# Altium PCB SteeringWheelBoard.PcbDoc
Units mm, origin at the board's own origin, x right, y up, seen from the top; angles counter-clockwise.
Board outline 80.26 x 44.96 mm, 2 copper layers (Top Layer, Bottom Layer); 63 components, 58 nets, 251 pads, 57 vias.
Unrouted connection lines stored in the file: 6.
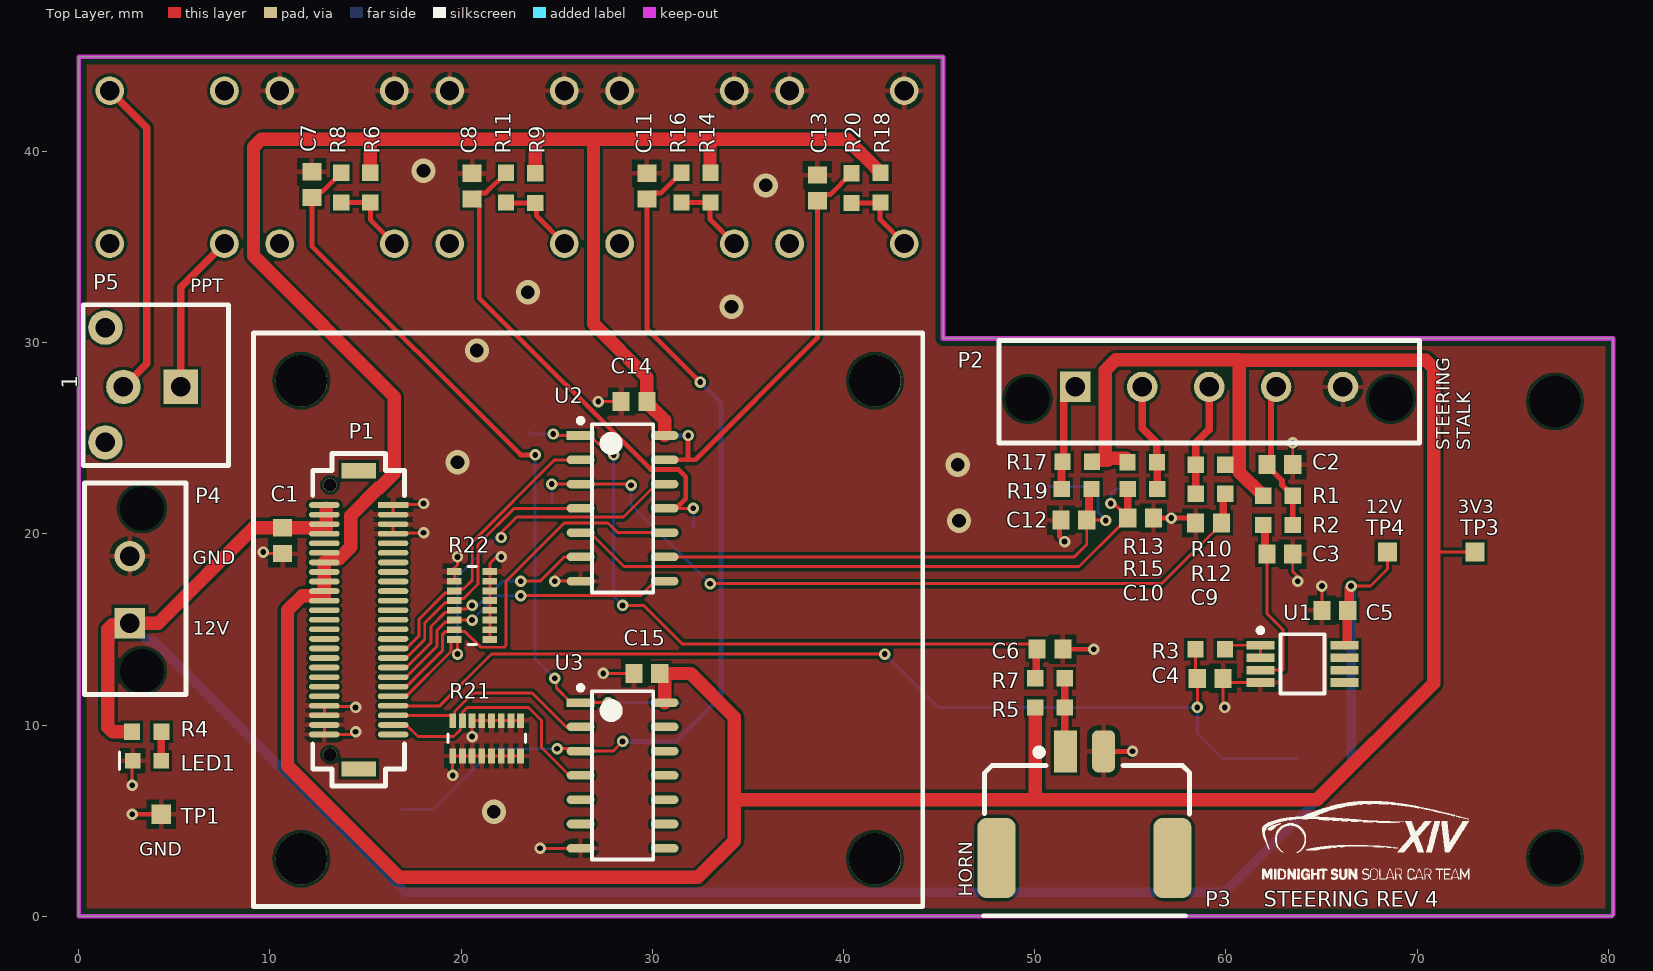
[diagram p0: Top Layer view]
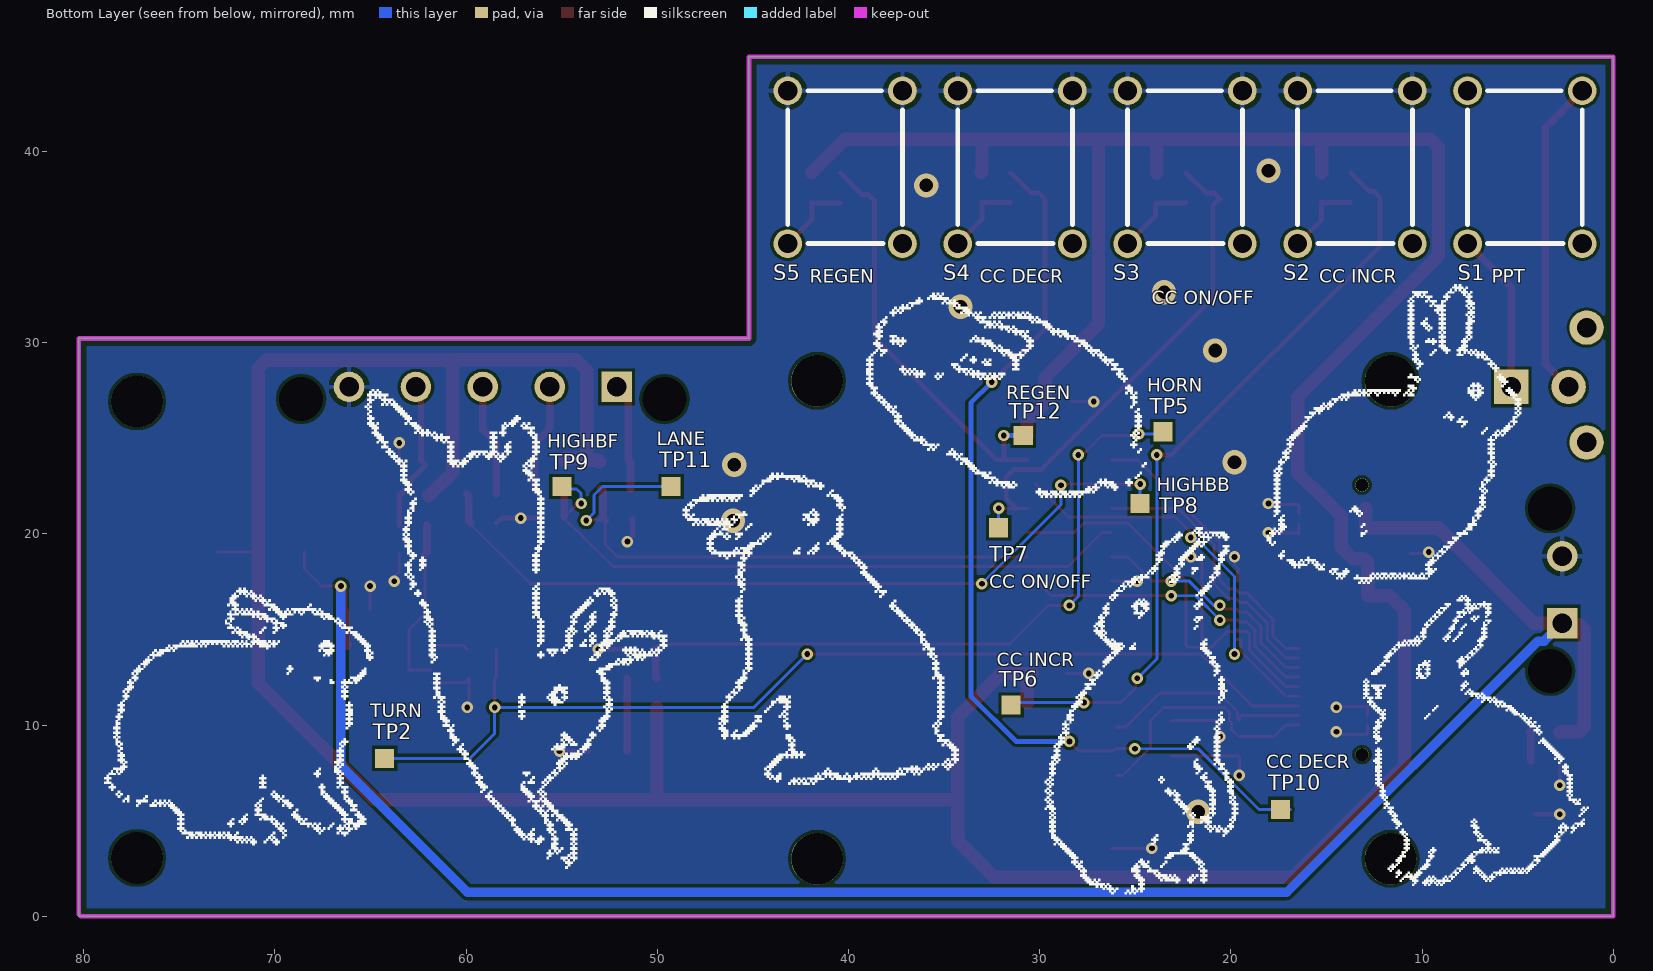
[diagram p1: Bottom Layer view, seen from below]
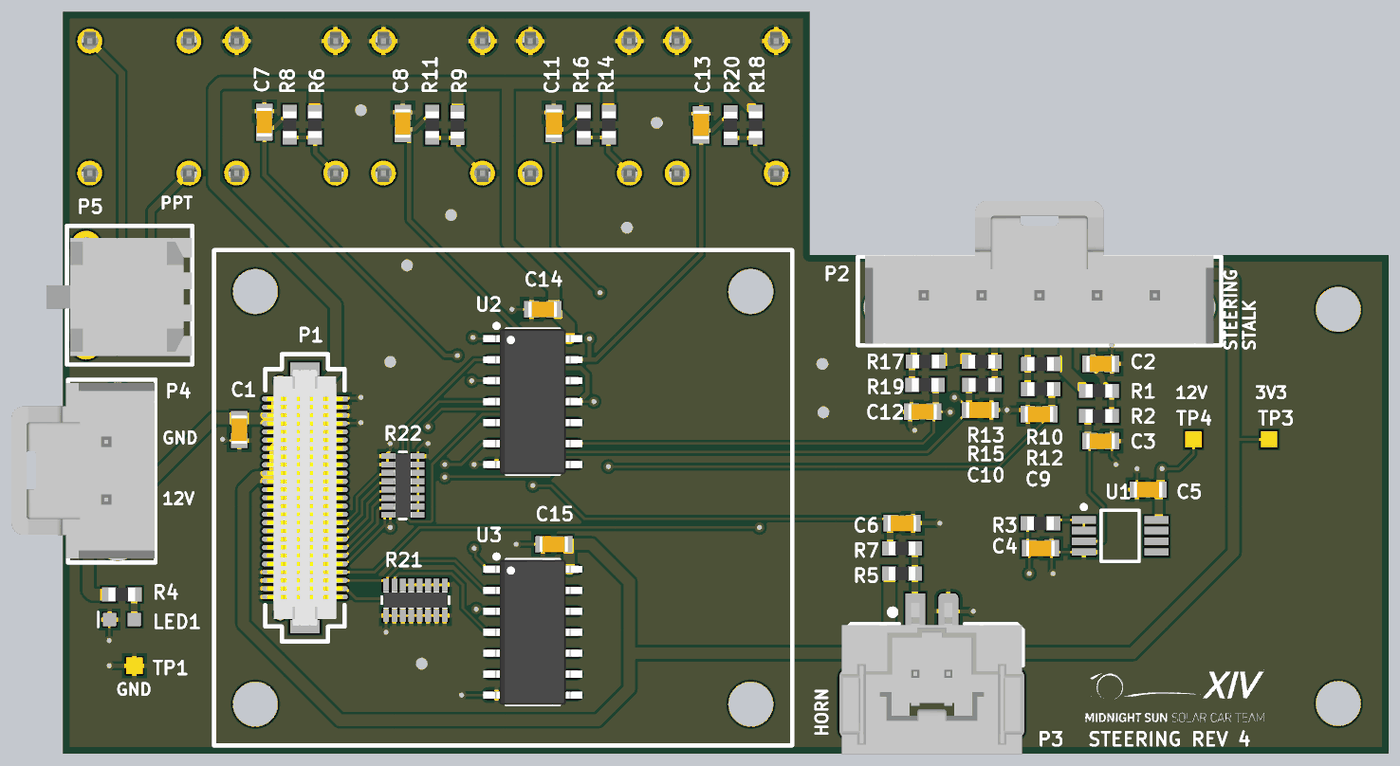
[diagram p2: 3D render of the assembled board from above, using the file's embedded part models]
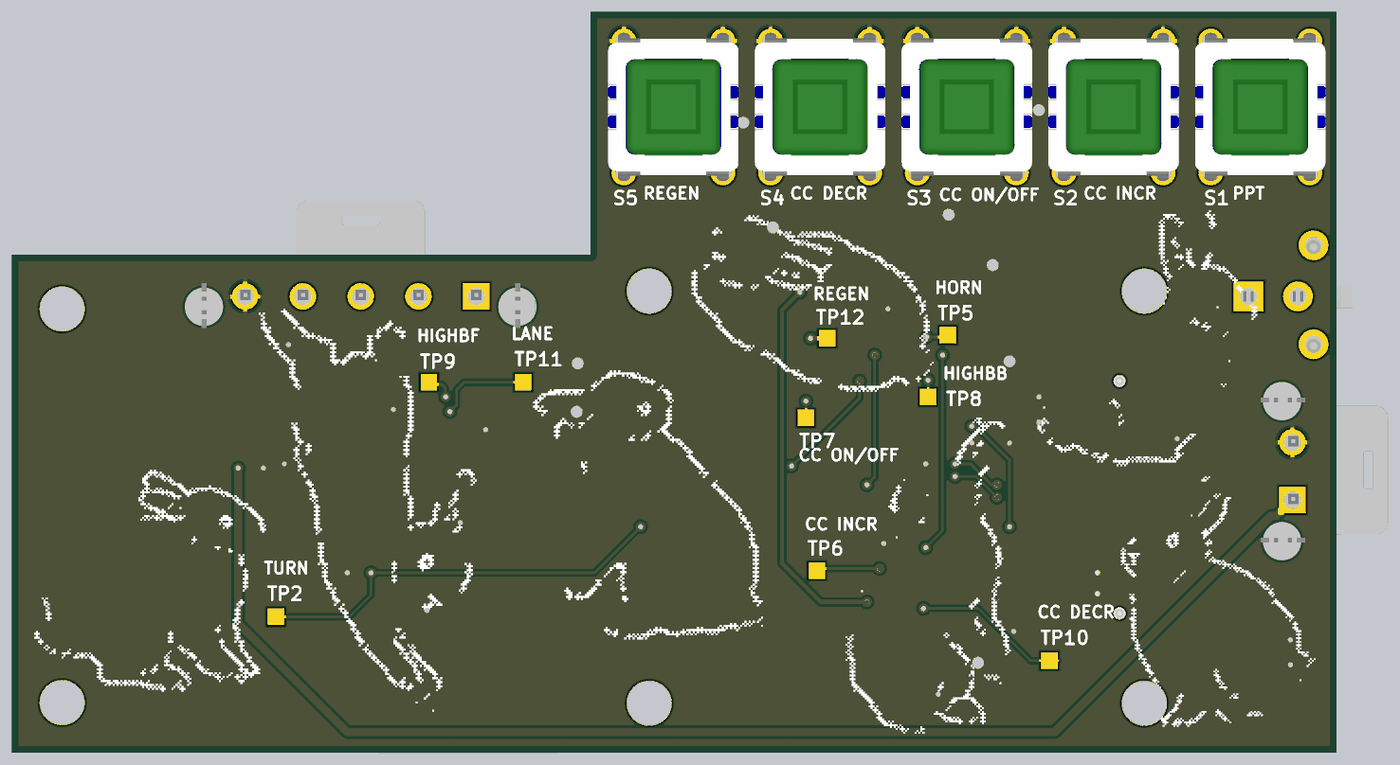
[diagram p3: 3D render of the assembled board from below, using the file's embedded part models]

## Layer stack, top to bottom
Top Solder: solder mask 0.0102, Solder Resist, Dk 3.5
Top Layer: signal copper 0.0356
Dielectric 1: dielectric 0.32, FR-4, Dk 4.8
Bottom Layer: signal copper 0.0356
Bottom Solder: solder mask 0.0102, Solder Resist, Dk 3.5

## Board outline
0,0 80.264,0 80.264,30.226 45.212,30.226 45.212,44.958 0,44.958

## Design rules (kind name [scope] priority, off if disabled: settings)
BoardOutlineClearance [All] p1: gap=0.406 ignorepadtopadclearanceinfootprint=FALSE
Clearance [All] p1: gap=0.152 ignorepadtopadclearanceinfootprint=FALSE except(0: Arc-Hole Track-Hole SMDPad-Hole THPad-Hole Via-Hole Fill-Hole Poly-Hole Region-Hole Text-Hole)
ComponentClearance ComponentClearance_ControllerBoard [InComponent('P1') vs Identifier = 'Controller_Board'] p1: gap=0 collisioncheckmode=3 verticalgap=0 showdistances=FALSE
ComponentClearance ComponentClearance_Standoffs [Identifier = 'Standoff' vs Identifier = 'Controller_Board'] p2: gap=0 collisioncheckmode=3 verticalgap=0 showdistances=FALSE
ComponentClearance [All] p3: gap=0.254 collisioncheckmode=3 verticalgap=0.254 showdistances=FALSE
HoleSize [All] p1: absolutevalues=TRUE maxlimit=6.3 minlimit=0.3 maxpercent=80.000 minpercent=20.000
MinimumAnnularRing [All] p1: minimumring=0.152
MinimumSolderMaskSliver [All] p1: minsoldermaskwidth=0.3
PolygonConnect [IsPad] p1: connectstyle=Relief reliefconductorwidth=0.254 reliefentries=4 polygonreliefangle="90 Angle" airgapwidth=0.254
PolygonConnect PolygonConnect_NoThermal [Not(IsPad)] p2: connectstyle=Direct reliefconductorwidth=0.254 reliefentries=4 polygonreliefangle="90 Angle" airgapwidth=0.254
RoutingVias [All] p1: holewidth=0.3 width=0.6 viastyle="Through Hole" minholewidth=0.3 minwidth=0.6 maxholewidth=0.711 maxwidth=1.27
SilkToSolderMaskClearance [IsPad] p1: minsilkscreentomaskgap=0.178 clearancetoexposedcopper=TRUE
SolderMaskExpansion [All] p1: expansion=0.102 istentingtop=FALSE
Width [All] p1: maxlimit=2.54 minlimit=0.154 preferedwidth=0.2
26 further rules are at their usual default settings.

## Classes and differential pairs
component class "Steering Wheel Interface Schmitt Inverters": C14 C15 R21 R22 U2 U3
component class "Steering Wheel Interface Digital Inputs": C6 C7 C8 C9 C10 C11 C12 C13 R5 R6 R7 R8 R9 R10 R11 R12 R13 R14 R15 R16 R17 R18 R19 R20 S2 S3 S4 S5 TP5 TP6 TP7 TP8 TP9 TP10 TP11 TP12
component class "Steering Wheel Carrier Board Mezzanine": P1 P2 P3 P4 P5 S1
component class "Steering Wheel Interface Analog Inputs": C1 C2 C3 C4 C5 LED1 R1 R2 R3 R4 TP1 TP2 TP3 TP4 U1

## Components (designator, comment, footprint, x,y, rotation, side; value= is the part's Value field where it differs from the comment)
C1 "CAP CER 0.1UF 50V 10% X7R 0603" "CAP, 0603" 10.668,19.645 r270 top
C2 "CAP CER 10nF 50V 5% X7R 0603" "CAP, 0603" 62.825,23.622 r0 top
C3 "CAP CER 0.1UF 50V 10% X7R 0603" "CAP, 0603" 62.825,18.942 r0 top
C4 "CAP CER 10nF 50V 5% X7R 0603" "CAP, 0603" 59.182,12.446 r0 top
C5 "CAP CER 4.7UF 25V 10% X5R 0603" "CAP, 0603" 65.699,16.002 r180 top
C6 "CAP CER 0.1UF 50V 10% X7R 0603" "CAP, 0603" 50.8,13.97 r0 top
C7 "CAP CER 0.1UF 50V 10% X7R 0603" "CAP, 0603" 12.192,38.267 r90 top
C8 "CAP CER 0.1UF 50V 10% X7R 0603" "CAP, 0603" 20.574,38.187 r90 top
C9 "CAP CER 0.1UF 50V 10% X7R 0603" "CAP, 0603" 59.095,20.574 r180 top
C10 "CAP CER 0.1UF 50V 10% X7R 0603" "CAP, 0603" 55.539,20.828 r0 top
C11 "CAP CER 0.1UF 50V 10% X7R 0603" "CAP, 0603" 29.718,38.187 r90 top
C12 "CAP CER 0.1UF 50V 10% X7R 0603" "CAP, 0603" 52.049,20.72 r180 top
C13 "CAP CER 0.1UF 50V 10% X7R 0603" "CAP, 0603" 38.636,38.1 r90 top
C14 "CAP CER 0.1UF 50V 10% X7R 0603" "CAP, 0603" 29.043,26.924 r180 top
C15 "CAP CER 0.1UF 50V 10% X7R 0603" "CAP, 0603" 29.718,12.7 r180 top
LED1 "LED GREEN CLEAR 2V 0603" LED_0603 4.268,8.138 r180 top
P1 "CONN 50POS Bergstak Plug 0.02\"" "CONN, BERGSTAK 50 POS PLUG" 14.644,15.508 r0 top locked
P2 "CONN 5POS ULTRA-FIT 0.138\"" "CONN, 5POS ULTRA-FIT" 52.126,27.686 r0 top locked
P3 "Dura-Clik" "CONN, 2POS Dura-Click Vertical" 51.606,8.628 r0 top
P4 "CONN 2POS ULTRA-FIT 0.138\"" "CONN, 2POS ULTRA-FIT" 2.672,15.336 r90 top
P5 "CONN 2POS MICRO-FIT 3mm" "CONN, 2POS MICRO-FIT" 5.334,27.786 r90 top
R1 "RES SMD 1K OHM 0.1% 1/10W 0603" "RES, 0603" 62.725,21.99 r0 top
R2 "RES SMD 15K OHM 1% 1/10W 0603" "RES, 0603" 62.725,20.466 r0 top
R3 "RES 100 OHM 1% 1/10W 0603" "RES, 0603" 59.182,13.97 r0 top
R4 "RES 4.7K OHM 1% 1/10W 0603" "RES, 0603" 3.556,9.652 r0 top
R5 "RES 10K OHM 1% 1/10W 0603" "RES, 0603" 50.8,10.922 r0 top
R6 "RES 10K OHM 1% 1/10W 0603" "RES, 0603" 15.252,38.113 r270 top
R7 "RES SMD 15K OHM 1% 1/10W 0603" "RES, 0603" 50.8,12.446 r0 top
R8 "RES SMD 15K OHM 1% 1/10W 0603" "RES, 0603" 13.728,38.113 r270 top
R9 "RES 10K OHM 1% 1/10W 0603" "RES, 0603" 23.876,38.087 r270 top
R10 "RES 10K OHM 1% 1/10W 0603" "RES, 0603" 59.195,23.622 r180 top
R11 "RES SMD 15K OHM 1% 1/10W 0603" "RES, 0603" 22.352,38.113 r270 top
R12 "RES SMD 15K OHM 1% 1/10W 0603" "RES, 0603" 59.195,22.098 r180 top
R13 "RES 10K OHM 1% 1/10W 0603" "RES, 0603" 55.626,23.749 r0 top
R14 "RES 10K OHM 1% 1/10W 0603" "RES, 0603" 33.048,38.113 r270 top
R15 "RES SMD 15K OHM 1% 1/10W 0603" "RES, 0603" 55.639,22.352 r0 top
R16 "RES SMD 15K OHM 1% 1/10W 0603" "RES, 0603" 31.524,38.113 r270 top
R17 "RES 10K OHM 1% 1/10W 0603" "RES, 0603" 52.229,23.768 r180 top
R18 "RES 10K OHM 1% 1/10W 0603" "RES, 0603" 41.938,38.113 r270 top
R19 "RES SMD 15K OHM 1% 1/10W 0603" "RES, 0603" 52.197,22.352 r180 top
R20 "RES SMD 15K OHM 1% 1/10W 0603" "RES, 0603" 40.414,38.087 r270 top
R21 "RES ARRAY 10K OHM 5% 8RES" "RES ARRAY, 8 POS 1506" 21.336,9.309 r90 top value=Value
R22 "RES ARRAY 10K OHM 5% 8RES" "RES ARRAY, 8 POS 1506" 20.574,16.256 r180 top value=Value
S1 "PPT" "SW SPST-NO ESE-20C321" 7.62,43.18 r270 bottom locked
S2 "CC_INCR" "SW SPST-NO ESE-20C321" 16.51,43.18 r270 bottom locked
S3 "CC_ONOFF" "SW SPST-NO ESE-20C321" 25.4,43.18 r270 bottom locked
S4 "CC_DECR" "SW SPST-NO ESE-20C321" 34.29,43.18 r270 bottom locked
S5 "REGEN" "SW SPST-NO ESE-20C321" 43.18,43.18 r270 bottom locked
TP1 "Test Point" "Test Point" 4.318,5.334 r270 top
TP2 "Test Point" "Test Point" 64.262,8.255 r90 bottom
TP3 "Test Point" "Test Point" 73.025,19.05 r90 top
TP4 "Test Point" "Test Point" 68.453,19.05 r90 top
TP5 "Test Point" "Test Point" 23.554,25.341 r90 bottom
TP6 "Test Point" "Test Point" 31.496,11.049 r90 bottom
TP7 "Test Point" "Test Point" 32.148,20.32 r90 bottom
TP8 "Test Point" "Test Point" 24.748,21.59 r90 bottom
TP9 "Test Point" "Test Point" 54.991,22.479 r90 bottom
TP10 "Test Point" "Test Point" 17.399,5.588 r90 bottom
TP11 "Test Point" "Test Point" 49.276,22.479 r90 bottom
TP12 "Test Point" "Test Point" 30.861,25.146 r90 bottom
U1 "IC OP AMP DUAL GP RR 10MHZ 8-VSSOP" "IC OP AMP DUAL 8-VSSOP" 64.008,13.2 r0 top
U2 "IC INVERTER SCHMITT 6CH 14SOIC" "IC INVERTER SCHMITT 6CH 14TSSOP" 28.448,21.336 r0 top
U3 "IC INVERTER SCHMITT 6CH 14SOIC" "IC INVERTER SCHMITT 6CH 14TSSOP" 28.448,7.366 r0 top

## Footprints (in the part's own frame and the unit in brackets; to place one, negate y for a bottom-side part, rotate by r counter-clockwise, add the part's x,y. Pads: shape width x height; smd on the part's side, far side on the other; paste and mask are expansions set on the pad)
"CAP, 0603" [mm] "Chip Capacitor, 2-Leads, Body 1.60x0.81mm, IPC Medium Density"
  rect 0.9x1 smd mask+0.076: 1(-0.675,0) 2(0.675,0)
  body extent -0.87,-0.48 0.87,0.48, height 0.9
"CONN, 2POS Dura-Click Vertical" [mm] "WM7169CT-ND"
  rect 1.2x2.2 smd: 1(0,0)
  rrect50% 1.2x2.2 smd: 2(2,0)
  rrect50% 2x4.2 smd: 3(-3.6,-5.58) 3(5.6,-5.58)
  silkscreen extent -4.28,-8.6 6.5,0.05, body extent -4.45,-8.63 6.45,0.52, height 8
"CONN, 2POS MICRO-FIT" [mm]
  round 1.8 hole 1.02: 0(-3,3.94) 0(3,3.94) 2(-0.1,3)
  rect 1.8x1.8 hole 1.02: 1(-0.1,0)
  silkscreen extent -4.2,-2.5 4.2,5.1, body extent -3.67,-2.47 3.48,6.3, height 9.95
"CONN, 2POS ULTRA-FIT" [mm] "2 Positions Header, Shrouded Connector 0.138\" (3.50mm) Through Hole Gold"
  rect 1.6x1.6 hole 1.02: 1(0,0)
  round 1.6 hole 1.02: 2(3.5,0)
  round 1.6 hole 2.3: ""(-2.5,-0.63) ""(6,-0.63)
  silkscreen extent -3.74,-2.93 7.33,2.37, body extent -3.48,-2.87 7.12,5.79, height 13.85
"CONN, 5POS ULTRA-FIT" [mm]
  rect 1.6x1.6 hole 1.02: 1(0,0)
  round 1.6 hole 1.02: 2(3.5,0) 3(7,0) 4(10.5,0) 5(14,0)
  round 0 hole 2.3: ""(-2.5,-0.63) ""(16.5,-0.63)
  silkscreen extent -4,-2.93 18,2.42, body extent -3.56,-2.84 17.54,5.82, height 13.85
"CONN, BERGSTAK 50 POS PLUG" [mm] "Bergstak 50 Position Plug"
  rect 1.6x0.3 smd: 1(1.8,6)
  oval 1.6x0.3 smd: 2(1.8,5.5) 3(1.8,5) 4(1.8,4.5) 5(1.8,4) 6(1.8,3.5) 7(1.8,3) 8(1.8,2.5) 9(1.8,2) 10(1.8,1.5) 11(1.8,1) 12(1.8,0.5) 13(1.8,0) 14(1.8,-0.5) 15(1.8,-1) 16(1.8,-1.5) 17(1.8,-2) 18(1.8,-2.5) 19(1.8,-3) 20(1.8,-3.5) 21(1.8,-4) 22(1.8,-4.5) 23(1.8,-5) 24(1.8,-5.5) 25(1.8,-6) 26(-1.8,-6) 27(-1.8,-5.5) 28(-1.8,-5) 29(-1.8,-4.5) 30(-1.8,-4) 31(-1.8,-3.5) 32(-1.8,-3) 33(-1.8,-2.5) 34(-1.8,-2) 35(-1.8,-1.5) 36(-1.8,-1) 37(-1.8,-0.5) 38(-1.8,0) 39(-1.8,0.5) 40(-1.8,1) 41(-1.8,1.5) 42(-1.8,2) 43(-1.8,2.5) 44(-1.8,3) 45(-1.8,3.5) 46(-1.8,4) 47(-1.8,4.5) 48(-1.8,5) 49(-1.8,5.5) 50(-1.8,6)
  round 0.7 hole 0.7: ""(-1.5,-7.05) ""(-1.5,7.05)
  rect 1.8x0.8 smd: ""(0,-7.8) ""(0,7.8)
  silkscreen extent -2.4,-8.7 2.4,8.7, body extent -2.3,-7.75 2.3,7.75, height 4.2
"IC INVERTER SCHMITT 6CH 14TSSOP" [mm]
  rect 1.45x0.45 smd: 1(-2.2,3.81)
  oval 1.45x0.45 smd: 2(-2.2,2.54) 3(-2.2,1.27) 4(-2.2,0) 5(-2.2,-1.27) 6(-2.2,-2.54) 7(-2.2,-3.81) 8(2.2,-3.81) 9(2.2,-2.54) 10(2.2,-1.27) 11(2.2,0) 12(2.2,1.27) 13(2.2,2.54) 14(2.2,3.81)
  silkscreen extent -2.32,-4.4 1.6,4.71, body extent -3,-4.4 3,4.4, height 1.75
"IC OP AMP DUAL 8-VSSOP" [mm] "VSSOP 8-Leads, Body 3.00x3.00mm, Pitch 0.65mm, IPC Medium Density"
  rect 1.45x0.45 smd: 1(-2.2,0.975) 2(-2.2,0.325) 3(-2.2,-0.325) 4(-2.2,-0.975) 5(2.2,-0.975) 6(2.2,-0.325) 7(2.2,0.325) 8(2.2,0.975)
  silkscreen extent -2.32,-1.55 1.15,1.87, body extent -1.55,-1.55 1.55,1.55, height 1.1
LED_0603 [mm]
  rect 0.8x0.8 smd: 1(-0.05,0.01) 2(1.45,0.01)
  silkscreen extent 2.13,-0.46 2.13,0.45, body extent -0.09,-0.39 1.51,0.41, height 0.8
"RES ARRAY, 8 POS 1506" [mil]
  rect 30x14 smd: 1(-36.5,70) 2(-36.5,50) 3(-36.5,30) 4(-36.5,10) 5(-36.5,-10) 6(-36.5,-30) 7(-36.5,-50) 8(-36.5,-70) 9(36.5,-70) 10(36.5,-50) 11(36.5,-30) 12(36.5,-10) 13(36.5,10) 14(36.5,30) 15(36.5,50) 16(36.5,70)
  silkscreen extent -9,-80 9,80, body extent -21,-77 21,77, height 18
"RES, 0603" [mm] "Chip Resistor, 2-Leads, Body 1.60x0.80mm, IPC Medium Density"
  rect 0.85x0.85 smd: 1(-0.775,0) 2(0.775,0)
  body extent -0.8,-0.4 0.8,0.4, height 0.55
"SW SPST-NO ESE-20C321" [mm] "ESE-20C321"
  round 1.5 hole 1: 1(0,0) 1(0,6) 2(8,0) 2(8,6)
  silkscreen extent 0,0 8,6, body extent -0.55,-0.95 8.55,6.95, height 12.5
"Test Point" [mm]
  rect 1x1 smd paste-2: TP(0,0)

## Part data
C1 C3 C6 C7 C8 C9 C10 C11 C12 C13 C14 C15: "0.10µF ±10% 50V Ceramic Capacitor X7R 0603 (1608 Metric)", Capacitance=0.1µF, Manufacturer 1="AVX Corporation", Manufacturer Part Number 1=06035C104KAT2A, Operating Temperature="-55°C ~ 125°C", Package / Case="0603 (1608 Metric)", Ratings=-, Supplier Part Number 1=478-5052-1-ND, Temperature Coefficient=X7R, Tolerance=±10%, Voltage=50V, ComponentLink1Description=http://datasheets.avx.com/X7RDielectric.pdf, ComponentLink1URL=http://datasheets.avx.com/X7RDielectric.pdf, Height - Seated (Max)=-, Lead Spacing=-, Lead Style=-, Mounting Type="Surface Mount, MLCC", Packaging="Cut Tape (CT)", Part Status=Active, Size / Dimension="0.063\" L x 0.032\" W (1.60mm x 0.81mm)", Supplier 1=Digi-Key, Thickness (Max)="0.035\" (0.90mm)"
C2 C4: "10000pF ±5% 50V Ceramic Capacitor U2J 0603 (1608 Metric)", Capacitance=10000pF, Manufacturer 1=KEMET, Manufacturer Part Number 1=C0603C103J5JAC7867, Operating Temperature="-55°C ~ 125°C", Package / Case="0603 (1608 Metric)", Ratings=-, Supplier Part Number 1=399-13384-1-ND, Temperature Coefficient=U2J, Tolerance=±5%, Voltage=50V, ComponentLink1Description=http://www.kemet.com/docfinder?Partnumber=C0603C103J5JAC7867, ComponentLink1URL=http://www.kemet.com/docfinder?Partnumber=C0603C103J5JAC7867, Failure Rate=-, Height - Seated (Max)=-, Lead Spacing=-, Lead Style=-, Mounting Type="Surface Mount, MLCC", Packaging="Cut Tape (CT)", Part Status=Active, Size / Dimension="0.063\" L x 0.032\" W (1.60mm x 0.80mm)", Supplier 1=Digi-Key, Thickness (Max)="0.034\" (0.87mm)"
C5: "4.7µF ±10% 25V Ceramic Capacitor X5R 0603 (1608 Metric)", Capacitance=4.7µF, Manufacturer 1="Murata Electronics North America", Manufacturer Part Number 1=GRM188R61E475KE11D, Operating Temperature="-55°C ~ 85°C", Package / Case="0603 (1608 Metric)", Ratings=-, Supplier Part Number 1=490-7203-1-ND, Temperature Coefficient=X5R, Tolerance=±10%, Voltage=25V, ComponentLink1Description=http://www.murata.com/~/media/webrenewal/support/library/catalog/products/capacitor/mlcc/c02e.ashx, ComponentLink1URL=http://www.murata.com/~/media/webrenewal/support/library/catalog/products/capacitor/mlcc/c02e.ashx, Height - Seated (Max)=-, Lead Spacing=-, Lead Style=-, Mounting Type="Surface Mount, MLCC", Packaging="Cut Tape (CT)", Part Status=Active, Size / Dimension="0.063\" L x 0.031\" W (1.60mm x 0.80mm)", Supplier 1=Digi-Key, Thickness (Max)="0.031\" (0.80mm)"
LED1: "Green 572nm LED Indication - Discrete 2V 0603 (1608 Metric)", Color=Green, Current - Test=20mA, Lens Color=Colorless, Manufacturer="Wurth Electronics Inc.", Manufacturer Part Number=150060VS75000, Millicandela Rating=40mcd, Package / Case="0603 (1608 Metric)", Supplier Device Package=0603, Supplier Part Number 1=732-4980-1-ND, Voltage - Forward (Vf) (Typ)=2V, Category=Optoelectronics, ComponentLink1Description=http://katalog.we-online.de/led/datasheet/150060VS75000.pdf, ComponentLink1URL=http://katalog.we-online.de/led/datasheet/150060VS75000.pdf, Features=-, Height (Max)=0.80mm, Lens Style/Size="Rectangle with Flat Top, 1.10mm x 0.70mm", Lens Transparency=Clear, Mounting Type="Surface Mount", Packaging="Cut Tape (CT)", Part Status=Active, Pricing 1="1=0.21, 100=0.1617, 500=0.13964 (CAD)", RoHS="RoHS Compliant", Size / Dimension="1.60mm L x 0.80mm W", Stock 1=9408, Supplier 1=Digi-Key, Viewing Angle=140°, Wavelength - Dominant=570nm, Wavelength - Peak=572nm
P1: "50 Position Connector Plug, Outer Shroud Contacts Surface Mount Gold", Manufacturer 1="Amphenol FCI", Manufacturer Part Number 1=10132797-055100LF, Supplier Part Number 1=609-5226-1-ND, ComponentLink1Description=http://portal.fciconnect.com/Comergent//fci/drawing/10132797.pdf, ComponentLink1URL=http://portal.fciconnect.com/Comergent//fci/drawing/10132797.pdf, Connector Type="Plug, Outer Shroud Contacts", Contact Finish=Gold, Contact Finish Thickness="1µin (0.025µm)", Height Above Board="0.169\" (4.30mm)", Mated Stacking Heights=5mm, Mounting Type="Surface Mount", Number of Positions=50, Number of Rows=2, Packaging="Cut Tape (CT)", Part Status=Active, Pitch="0.020\" (0.50mm)", Series="BergStak Plug", Supplier 1=Digi-Key
P2: "5 Positions Header Connector 0.138\" (3.50mm) Through Hole Tin", Current Rating=-, Insulation Color=Black, Manufacturer 1="Molex, LLC", Manufacturer Part Number 1=1722871105, Material Flammability Rating="UL94 V-0", Operating Temperature="-40°C ~ 105°C", Supplier Part Number 1=WM11704-ND, Voltage=400V, ComponentLink1Description=http://www.molex.com/pdm_docs/sd/1722871105_sd.pdf, ComponentLink1URL=http://www.molex.com/pdm_docs/sd/1722871105_sd.pdf, Connector Type=Header, Contact Finish - Mating=Tin, Contact Finish - Post=Tin, Contact Finish Thickness - Mating="60µin (1.52µm)", Contact Finish Thickness - Post="60µin (1.52µm)", Contact Length - Mating=-, Contact Length - Post="0.126\" (3.20mm)", Contact Material="Copper Alloy", Contact Shape=Square, Contact Type="Male Pin", Fastening Type="Latch Holder", Ingress Protection=-, Insulation Height="0.465\" (11.80mm)", Insulation Material="Liquid Crystal Polymer (LCP)", Mated Stacking Heights=26.99mm, Mounting Type="Through Hole", Number of Positions=5, Number of Positions Loaded=All, Number of Rows=1, Overall Contact Length=-, Packaging=Tray, Part Status=Active, Pitch - Mating="0.138\" (3.50mm)", Row Spacing - Mating=-, Series=UltraFit, Shrouding="Shrouded - 4 Wall", Style="Board to Cable/Wire", Supplier 1=Digi-Key, Termination=Solder
P3: library part "CONN 2POS DURA-CLIK 0.079\" VERT", "2 Positions Header, Shrouded Connector 0.079\" (2.00mm) Surface Mount, Vertical Tin", Current Rating=-, Insulation Color=Natural, Manufacturer="Molex, LLC", Manufacturer Part Number=5600200220, Supplier Part Number 1=WM10862CT-ND, Applications="Automotive, Industrial", Category="Connectors, Interconnects", ComponentLink1Description=http://www.molex.com/pdm_docs/sd/5600200220_sd.pdf, ComponentLink1URL=http://www.molex.com/pdm_docs/sd/5600200220_sd.pdf, Connector Type=Header, Contact Finish - Mating=Tin, Contact Finish - Post=Tin, Contact Finish Thickness - Mating=-, Contact Finish Thickness - Post=-, Contact Length - Mating=-, Contact Length - Post=-, Contact Material="Copper Alloy", Contact Shape=Square, Contact Type="Male Pin", Fastening Type="Latch Lock", Features="Solder Retention", Ingress Protection=-, Insulation Height="0.315\" (8.00mm)", Insulation Material="Polyamide (PA), Nylon", Mated Stacking Heights=9.3mm, Material Flammability Rating=-, Mounting Type="Surface Mount", Number of Positions=2, Number of Positions Loaded=All, Number of Rows=1, Operating Temperature=-, Overall Contact Length=-, Packaging="Cut Tape (CT)", Part Status=Active, Pitch - Mating="0.079\" (2.00mm)", Pricing 1="1=1.16, 10=1.012, 25=0.952, 50=0.9122, 100=0.8727, 250=0.79336 (CAD)", RoHS="RoHS Compliant", Row Spacing - Mating=-, Shrouding="Shrouded - 4 Wall", Stock 1=11912, Style="Board to Cable/Wire", Supplier 1=Digi-Key, Termination=Solder, Voltage Rating=-